# KiCad board SmartSpin2k_Panelized.kicad_pcb (continued)
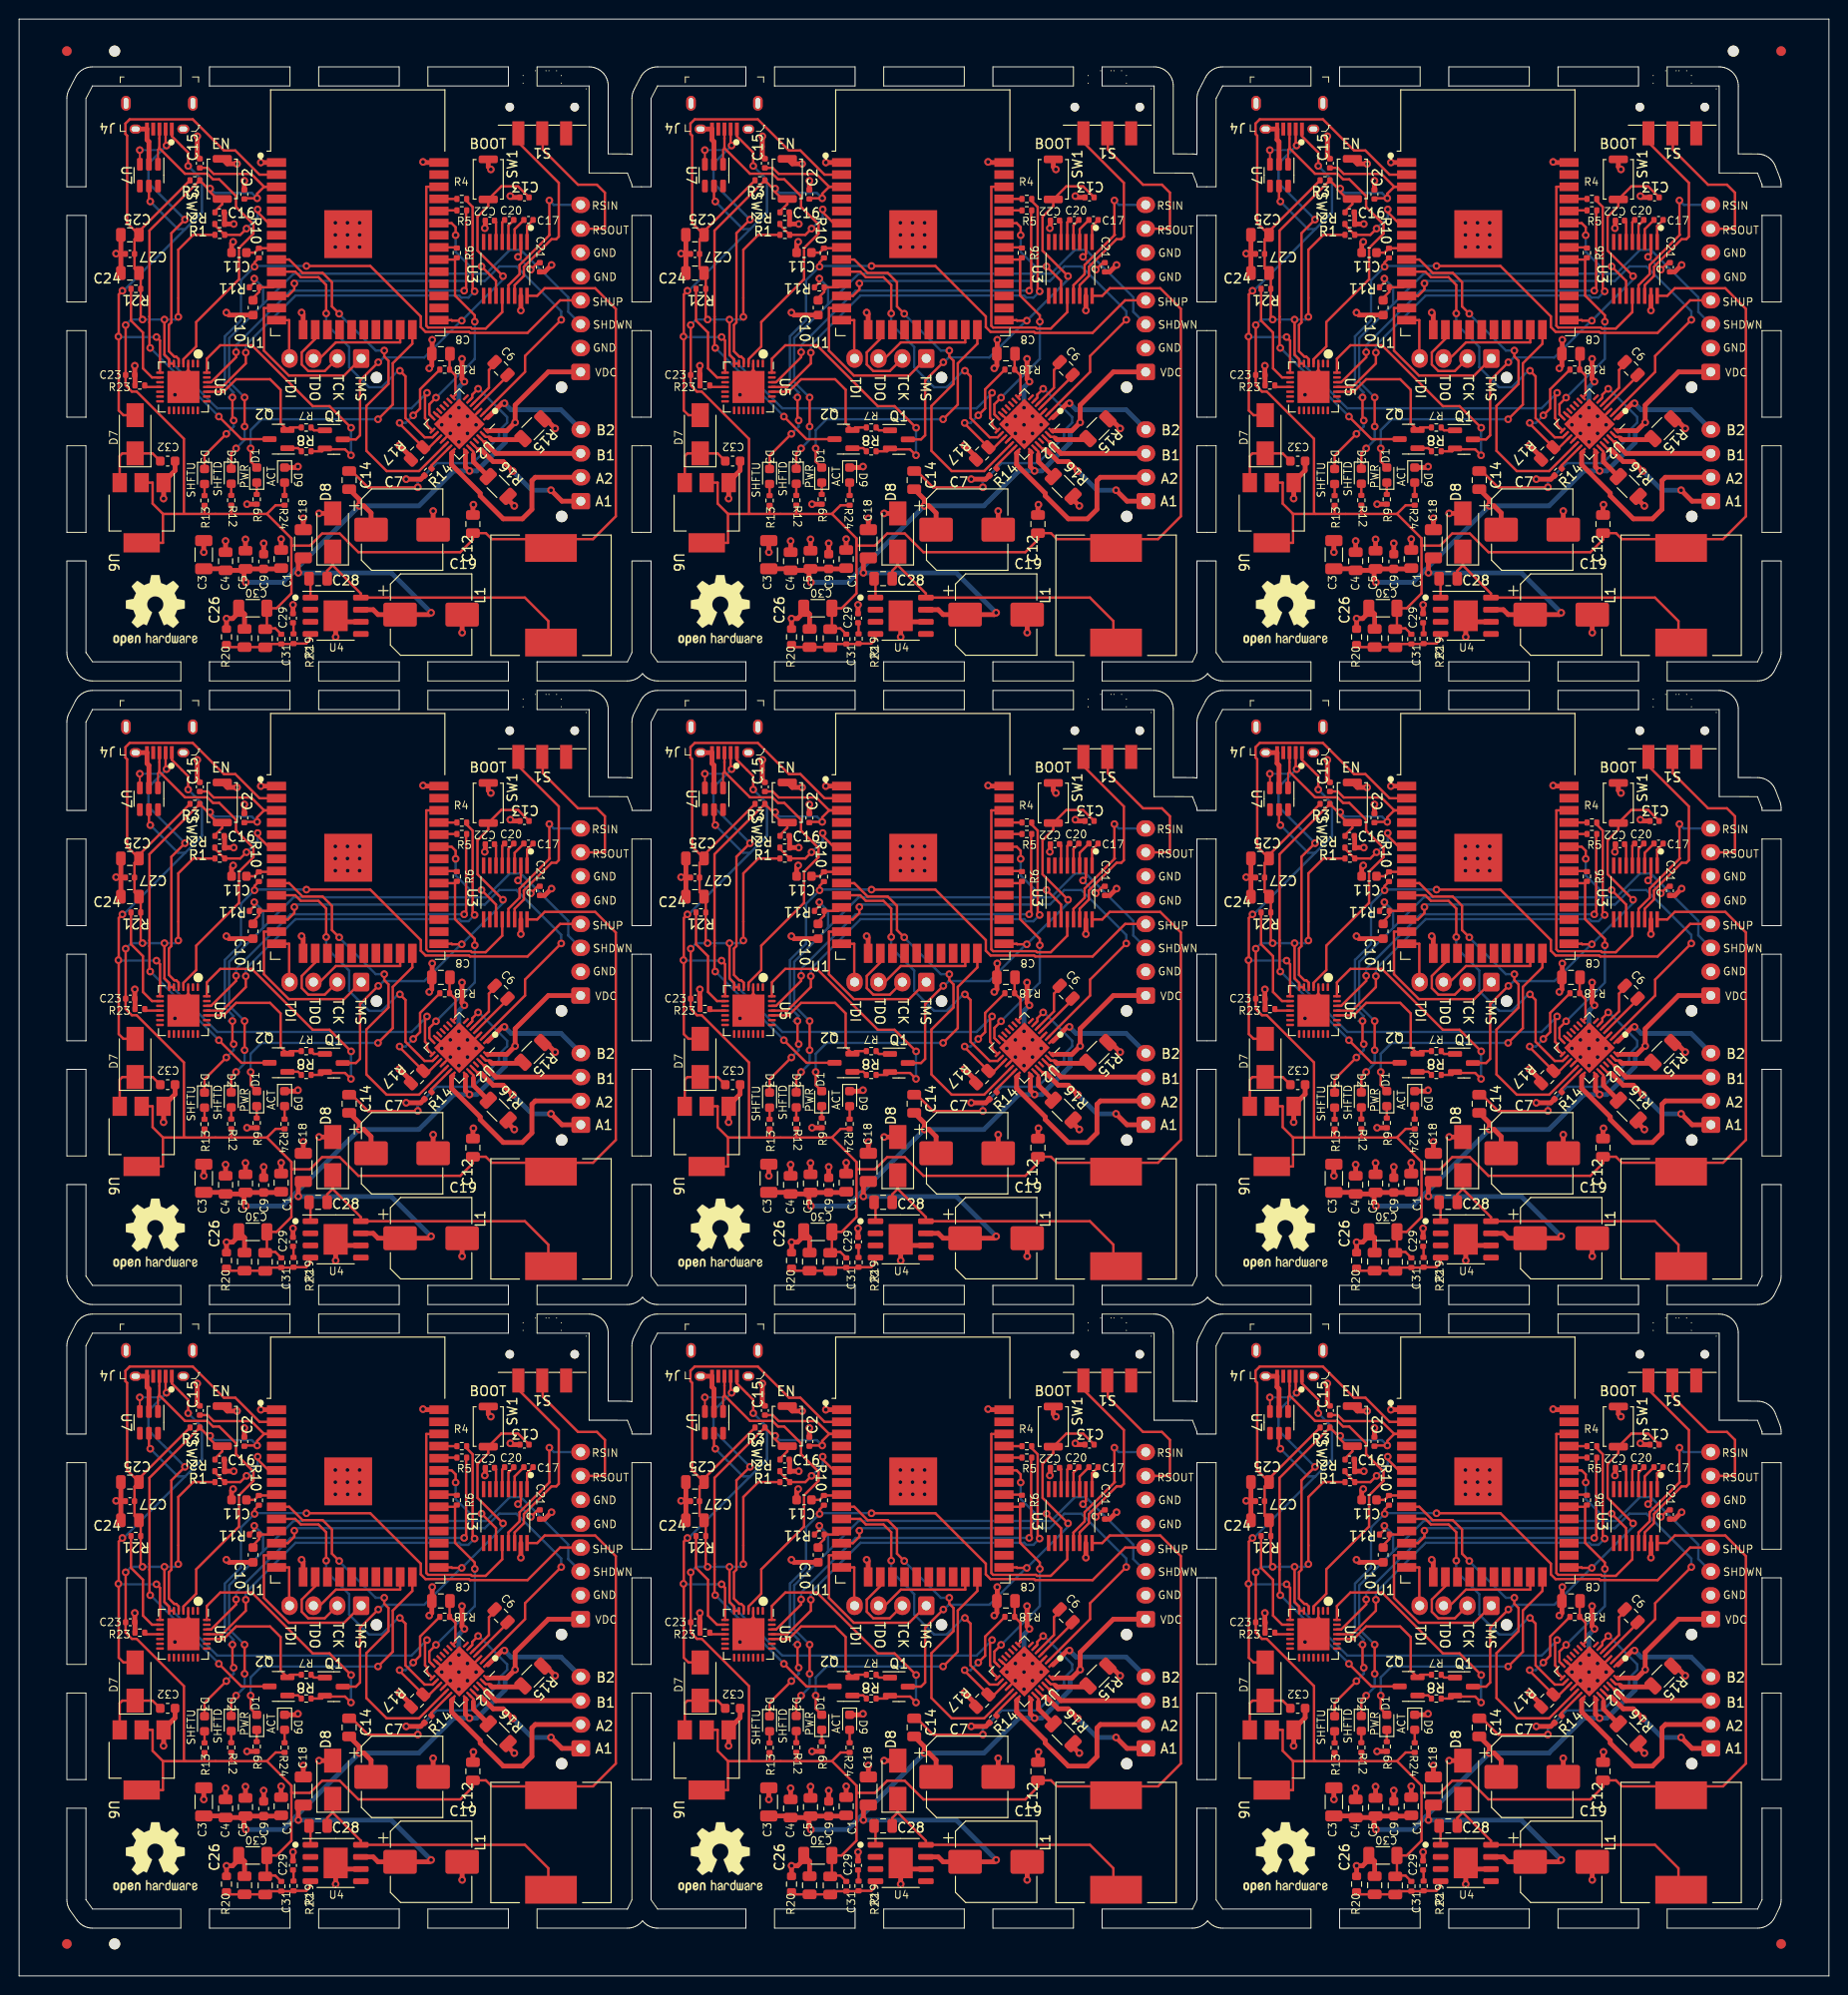
[diagram p0: board, top side]
## Routing (per net, layer and track width the routed paths; a pad name or vN(x,y) marks a point on that pad's centre or on a via; arc(x,y) is an arc through that point) (continued)
  Bottom w0.5: v1(105.19,98.91) 105.19,101.06 v1(105.76,101.64)
  vias: v1(92.25,118.27) v1(92.25,117) v1(92.25,115.73) v1(93.52,118.27) v1(93.55,115.73) v1(94.79,118.27) v1(94.79,117) v1(94.79,115.73) v1(104.29,98.01) v1(105.19,95.32) v1(106.09,96.22) v1(106.98,97.12)
Board_4-Net-(C6-Pad1): length 5.4
  Top w0.25: C6#9.1 108.93,103.45 108.33,102.86 108.33,101 106.62,99.29 U2#6.5
Board_4-Net-(C6-Pad2): length 4.8
  Top w0.25: C6#9.2 110.27,102.23 U2#6.4
Board_4-Net-(C10-Pad1): length 3.6
  Top w0.25: C10#3.1 83.64,110.4 84.28,111.04 R11.1 85.73,111.52 U1#3.11
Board_4-Net-(C11-Pad1): length 3.4
  Top w0.25: C11#3.1 83.79,115.15 R10#5.1 86.01,115.61 U1#3.8
Board_4-Net-(C14-Pad2): length 27.3
  Top w0.25: v1(100.89,90.58) 100.87,90.56 95.68,90.56 93.97,92.27 C14#8.2 ; U2#6.6 106.59,99.96 106.59,100.28 v1(107.2,100.89)
  Bottom w0.25: v1(100.89,90.58) 100.87,90.59 100.87,91.12 102.85,93.1 106.63,93.1 109.38,95.85 109.38,96.49 110.23,97.34 110.23,97.93 107.27,100.89 v1(107.2,100.89)
Board_4-Net-(C17-Pad1): length 2.7
  Top w0.25: C17#8.1 111.02,117.6 U3#4.3
Board_4-Net-(C17-Pad2): length 2.6
  Top w0.25: C17#8.2 112.95,118.56 112.32,117.93 U3#4.1
Board_4-Net-(C20-Pad1): length 2.4
  Top w0.25: U3#4.5 109.72,118.32 C20#6.1
Board_4-Net-(C20-Pad2): length 2.5
  Top w0.25: U3#4.4 110.37,118 110.93,118.56 C20#6.2
Board_4-Net-(C21-Pad1): length 4.8
  Top w0.25: C21.1 113.44,114.09 v1(112.71,113.36) ; v1(111.37,114.71) 111.67,115.01 U3#4.2
  Bottom w0.25: v1(112.71,113.36) v1(111.37,114.71)
Board_4-Net-(C22-Pad1): length 2.3
  Top w0.25: C22#5.1 109.07,118.34 U3#4.6
Board_4-Net-(C26-Pad1): length 9.8
  Top w0.25: U4#4.4 89.65,74.65 89.21,74.21 R19#8.1 87.83,74.17 R22#6.1 85.26,74.17 C31.1 84.89,73.84 C26#6.1 81.11,73.84 R20#8.1
Board_4-Net-(C28-Pad1): length 2
  Top w0.25: C28#6.1 89.65,80.86 U4#4.1
Board_4-Net-(C28-Pad2): length 31.4
  Top w0.25: 91.98,83.05 91.98,82.4 94.92,79.46 U4#4.8 112.09,79.03 114.55,76.57 114.55,74.15 ; 91.98,83.05 D8#2.1 ; 91.98,83.05 91.98,82.42 91.4,81.84 C28#6.2
Board_4-Net-(C29-Pad1): length 1.2
  Top w0.25: R19#8.2 87.88,76.34 C29#9.1
Board_4-Net-(D1-Pad1): length 1.2
  Top w0.25: D1#4.1 R9#3.2
Board_4-Net-(D1-Pad2): length 28.8
  Top w0.25: v1(96.72,97.7) 98.26,99.24 98.26,103.56 100.31,105.61 U1#3.24 ; v1(83.39,94.65) 83.39,93.28 D1#4.2
  Bottom w0.25: v1(83.39,94.65) 83.39,96.56 84.53,97.7 v1(96.72,97.7)
Board_4-Net-(D2-Pad2): length 1.2
  Top w0.25: R12#6.1 D2.2
Board_4-Net-(D3-Pad2): length 1.2
  Top w0.25: D3#4.2 R13#9.2
Board_4-Net-(D9-Pad2): length 1.4
  Top w0.25: R24#7.1 D9#5.2
Board_4-Net-(J2-Pad1): length 17.8
  Top w0.25: J2#8.1 93.17,102.28 87.38,102.28 84.77,104.89 84.77,109.34 U1#3.13
Board_4-Net-(J2-Pad2): length 8.8
  Top w0.25: J2#8.2 91.14,102.75 89.42,102.75 88.73,103.43 88.73,104.7 90.15,106.12 U1#3.16
Board_4-Net-(J2-Pad3): length 11.1
  Top w0.25: U1#3.23 99.04,105.75 92.3,105.75 90.62,104.07 J2#8.3
Board_4-Net-(J2-Pad4): length 5.4
  Top w0.25: U1#3.14 87.42,108.07 87.42,104.07 J2#8.4
Board_4-Net-(Q1-Pad1): length 1.6
  Top w0.25: Q1#2.1 90.01,96.54 R7#9.1
Board_4-Net-(Q2-Pad1): length 1.6
  Top w0.25: Q2#5.1 87.25,94.68 88.36,94.68 R8.2
Board_4-Net-(R1-Pad2): length 9.4
  Top w0.25: R2#4.2 79.64,118.04 R1#6.2 82.3,117.01 v1(82.96,117.66) ; U1#3.6 85.27,118.23 84.12,119.38 v1(84.12,119.67)
  Bottom w0.25: v1(82.96,117.66) 84.12,118.83 v1(84.12,119.67)
Board_4-Net-(R4-Pad1): length 1.9
  Top w0.25: R4#9.1 103.1,120.77 U1#3.35
Board_4-Net-(R5-Pad1): length 1.9
  Top w0.25: U1#3.34 103.16,119.57 R5#8.1
Board_4-Net-(R14-Pad2): length 3
  Top w0.25: U2#6.20 102.31,92.86 R14#5.2
Board_4-Net-(R17-Pad1): length 13.4
  Top w0.25: v1(100.41,98.11) 101.13,98.83 101.13,100.84 R18#5.2 ; v1(98.98,97.32) 98.98,97.24 R17#7.1 102.1,94.76 U2#6.17
  Bottom w0.25: v1(98.98,97.32) 99.61,97.32 v1(100.41,98.11)
Board_4-Net-(R21-Pad2): length 11
  Top w0.25: U5#2.9 73.06,102.08 72.11,103.03 72.11,106.78 70.86,108.03 R21#6.2
Board_4-Net-(R23-Pad2): length 1.7
  Top w0.25: U5#2.11 72.46,101.08 R23#7.2
Board_4-Net-(S1-Pad3): length 20.9
  Top w0.25: U3#4.14 111.02,111.75 111.99,112.71 111.99,113.66 114.88,116.56 115.38,116.56 115.65,116.83 115.65,122.46 111.33,126.77 111.33,127.52
Board_5-/A1: length 13.8
  Top w0.25: 166.41,94.5 166.37,94.5 U2#5.24
  Top w0.5: J1#3.1 175.13,89.12 v1(173.98,90.27) ; 166.41,94.5 166.69,94.5 167.92,93.27 168.98,93.27 v1(169.98,92.27)
  Bottom w0.5: v1(169.98,92.27) 171.98,90.27 v1(173.98,90.27)
Board_5-/A2: length 21.1
  Top w0.25: 163.7,94.27 U2#5.21
  Top w0.5: 163.7,94.27 163.57,94.14 163.57,92.95 166.57,89.95 166.57,89.68 168.98,87.27 170.98,87.27 171.98,88.27 171.98,91.27 172.33,91.62 J1#3.2
Board_5-/B1: length 11.3
  Top w0.25: 167.05,95.31 166.97,95.31 U2#5.26
  Top w0.5: J1#3.3 168.21,94.12 167.07,95.26
Board_5-/B2: length 11.7
  Top w0.25: 167.36,97.87 U2#5.1
  Top w0.5: v1(169.11,99.38) 168.86,99.38 167.36,97.87
  Bottom w0.5: v1(169.11,99.38) 169.79,98.69 175.03,98.69 J1#3.4
Board_5-/BRA: length 3.9
  Top w0.25: U2#5.23 165.85,94.3 165.85,94.02
  Top w0.5: 165.85,94.02 165.85,93.25 R16#3.2
Board_5-/BRB: length 4.5
  Top w0.25: U2#5.27 167.14,95.85 167.5,95.85 167.63,95.72
  Top w0.5: 167.63,95.72 167.79,95.56 170.93,95.56 R15#3.2
Board_5-/D+: length 35.2
  Top w0.2: 132.99,126.08 132.84,125.94 U7#5.1
  Top w0.25: J4#8.3 132.99,126.08 135.66,123.41 138.01,123.41 138.59,122.83 139.25,122.83 141.01,121.07 141.01,119.93 142.83,118.11 142.83,117.14 141.32,115.63 141.32,112.35 136.84,107.88 136.84,105.32 135.5,103.98 U5#9.4
Board_5-/D-: length 32.7
  Top w0.2: U7#5.3 130.94,125.87 v1(130.93,125.88)
  Top w0.25: v1(135.66,118.61) 134.24,117.18 134.24,107.84 133.98,107.58 133.98,104.82 134.54,104.25 134.75,104.25 135,104 U5#9.5 ; v1(133.73,126.36) 133.64,126.46 J4#8.2
  Bottom w0.2: v1(130.93,125.88) 133.25,125.88 v1(133.73,126.36)
  Bottom w0.25: v1(135.66,118.61) 131.84,122.43 131.84,124.47 v1(133.73,126.36)
Board_5-/DriverDIR: length 38.8
  Top w0.25: U2#5.19 160.17,92.27 156.77,92.27 154.65,94.4 154.65,99.1 156.96,101.41 156.96,103.82 156.52,104.26 v1(156.52,104.89) ; v1(151.81,108.75) 151.05,109.51 151.05,112.05 150.07,113.02 147.97,113.02 146.57,114.42 U1#7.9
  Bottom w0.25: v1(156.52,104.89) 155.63,104.89 151.81,108.72 v1(151.81,108.75)
Board_5-/DriverEN: length 47.6
  Top w0.25: U1#7.12 146.44,110.61 147.11,111.29 v1(147.11,111.92) ; v1(175.05,108.11) 171.26,104.33 171.26,102.66 U2#5.2
  Bottom w0.25: v1(147.11,111.92) 147.36,112.18 167.05,112.18 168.57,113.7 170.35,113.7 175.05,109 v1(175.05,108.11)
Board_5-/DriverSTEP: length 31.7
  Top w0.25: U1#7.10 147.21,113.15 147.79,112.57 149.63,112.57 150.44,111.76 v1(150.44,108.78) ; U2#5.16 161.58,95.8 160.76,95.8 158.75,97.81 158.75,102.19 v1(158.16,102.78)
  Bottom w0.25: v1(150.44,108.78) 150.44,107.67 152.85,105.27 152.85,103.13 154.93,101.05 156.25,101.05 157.98,102.78 v1(158.16,102.78)
Board_5-/DTR: length 28.2
  Top w0.25: v1(153.05,96.81) 150.79,99.07 149.04,99.07 142.66,105.45 139.36,105.45 137.95,104.04 U5#9.28 ; v1(153.04,93.93) 152.42,94.55 150.4,94.55 Q1#5.2 150.02,94.35 R8#6.1
  Bottom w0.25: v1(153.05,96.81) 153.04,96.8 v1(153.04,93.93)
Board_5-/EN: length 59.6
  Top w0.25: v1(139.21,97.98) 141.57,95.62 144.45,95.62 ; v1(132.02,105.17) 131.95,105.24 131.95,107.84 131.95,107.84 131.95,108.44 131.95,108.44 131.95,117.46 R3.2 138.08,121.85 v1(138.3,121.85) 138.3,121.5 139.03,120.77 SW2#8.2 139.57,120.23 138.81,119.47 C16#2.1 ; C2.1 141.88,120.76 141.96,120.84 v1(143.22,120.84) 143.22,121.32 143.95,122.04 U1#7.3 143.95,122.04 142.6,123.39 138.66,123.39 138.04,124.02 C15#9.1
  Bottom w0.25: v1(132.02,105.17) 132.05,105.17 139.21,98 v1(139.21,97.98) ; v1(143.22,120.84) 142.66,121.4 138.75,121.4 v1(138.3,121.85)
Board_5-/IO0_BOOT: length 44.7
  Top w0.25: v1(155.9,103.67) 153.99,101.76 153.99,96.02 153.56,95.59 Q1#5.3 ; C13#9.1 171.68,120.94 170.53,122.08 168.77,122.08 SW1#9.1 167.41,120.03 166.29,118.91 166.29,115.35 v1(168.95,112.69) ; v1(164.63,108.02) 163.62,108.02 163.57,108.07 U1#7.25
  Bottom w0.25: v1(168.95,112.69) 168.95,112.34 v1(164.63,108.02) 164.57,108.02 160.72,104.17 156.46,104.17 155.96,103.67 v1(155.9,103.67)
Board_5-/R1OUT: length 26.4
  Top w0.25: U3#5.12 168.87,108.92 167.14,107.19 165.7,107.19 165.59,107.3 161.11,107.3 160.92,107.49 160.92,122.04 U1#7.36
Board_5-/REG_5V: length 7.5
  Top w0.25: U6#5.3 128.83,93.85 129.11,94.12 D7#4.1 132.27,94.12 C32#8.2
Board_5-/RS232IN1: length 15.3
  Top w0.25: U3#5.13 169.52,111.73 170.69,112.9 170.69,113.85 173.85,117.01 173.8,117.05 v1(173.8,120.61)
  Bottom w0.25: J3#6.8 174.26,120.15 v1(173.8,120.61)
Board_5-/RS232OUT1: length 16.4
  Top w0.25: 172.98,127.52 173.12,127.38 173.12,125.95 176.8,122.26 178.78,122.26 179.62,121.42 179.62,117.61 179.58,117.65 J3#6.7
Board_5-/RTS: length 14.8
  Top w0.25: R7#6.2 146.66,96.84 Q2#4.2 145.67,97.28 145.67,100.78 144.57,101.89 141.01,101.89 139.7,100.58 U5#9.24
Board_5-/RXD0: length 40.2
  Top w0.25: R5#7.2 165.09,119.51 165.09,111.37 v1(164.89,111.16) ; v1(141.01,104.72) 141.01,104.19 138.4,101.58 U5#9.26
  Bottom w0.25: v1(141.01,104.72) 141.01,105.45 146.73,111.16 v1(164.89,111.16)
Board_5-/ShiftDown: length 63.9
  Top w0.25: v1(141.01,94.65) 140.5,94.14 D2#3.1 ; R11#9.2 142.92,112.03 v1(142.92,112.43) ; v1(141.9,99.98) v1(141.9,96.94)
  Bottom w0.25: 143.83,109.74 140.29,106.19 140.29,101.6 v1(141.9,99.98) ; 143.83,109.74 147.03,112.94 167.17,112.94 169.67,115.43 170.82,115.43 175.78,110.47 175.78,108.95 J3#6.3 ; 143.83,109.74 143.83,111.52 v1(142.92,112.43) ; v1(141.01,94.65) 141.9,95.54 v1(141.9,96.94)
Board_5-/ShiftUp: length 65
  Top w0.25: v1(139.99,96.17) 137.71,93.89 D3#7.1 ; J3#6.4 174.93,110.15 171.52,106.74 165.51,106.74 165.41,106.85 160.85,106.85 160.35,107.35 160.35,108.46 155.06,113.75 v1(148.38,113.75) ; R10#4.2 142.94,114.13 v1(142.94,113.68) ; v1(140.63,99.98) 140.63,97.7 v1(140.76,97.57)
  Bottom w0.25: v1(140.76,97.57) 140.76,96.94 v1(139.99,96.17) ; v1(148.38,113.75) 148.37,113.75 143.02,113.75 v1(142.94,113.68) 141.52,112.25 141.52,108.06 139.84,106.38 139.84,101.41 140.75,100.5 140.24,99.98 v1(140.63,99.98)
Board_5-/T1IN: length 11.6
  Top w0.25: U1#7.33 163.57,118.23 164,117.81 v1(164,116.97) ; U3#5.11 168.22,112.18 v1(166.71,113.7)
  Bottom w0.25: v1(166.71,113.7) 165.52,113.7 164,115.23 v1(164,116.97)
Board_5-/TMCUART1: length 21.5
  Top w0.25: v1(161.94,99.96) 161.24,99.27 161.24,98.21 U2#5.14 ; 163.93,114.42 R6#7.1 ; 163.93,114.42 U1#7.30 ; 163.93,114.42 163.93,110.65 166,108.58 v1(166,107.92)
  Bottom w0.25: v1(166,107.92) 166,104.02 v1(161.94,99.96)
Board_5-/TMCUART2: length 1.9
  Top w0.25: U1#7.31 164.06,115.69 R6#7.2
Board_5-/TXD0: length 43.5
  Top w0.25: v1(165.98,111.09) 165.78,111.3 165.78,119.92 165.15,120.55 R4#7.2 ; v1(142.03,104.68) 142.03,103.54 139.57,101.08 U5#9.25
  Bottom w0.25: v1(165.98,111.09) 165.33,110.44 164.59,110.44 164.37,110.65 147.24,110.65 142.03,105.45 v1(142.03,104.68)
Board_5-/VDC: length 92.1
  Top w0.25: U2#5.28 167.32,96.51 167.33,96.51 ; 165.02,94.32 165.02,94.34 U2#5.22
  Top w0.5: C7#6.1 155.14,87.89 154.4,88.63 v1(153.91,88.63) 153.91,89.31 C14#6.1 ; 141.84,81.88 C5#8.1 142,82.03 C9#4.1 145.65,82.03 C1#9.1 ; 141.84,81.88 141.84,80.81 v1(142.03,80.62) ; 141.84,81.88 C4#4.1 139.75,82.05 C3#3.1 ; U4#8.7 155.37,77.76 155.88,77.25 C19#3.1 161.23,77.25 v1(161.43,77.44) ; C18#3.1 147.53,82.66 v1(147.53,81.62) ; J3#6.1 173.7,102.65 170.22,99.18 v1(170.22,97.37) 169.36,96.51 167.33,96.51 ; v1(165.45,92.29) 165.02,92.72 165.02,94.32
  Bottom w0.5: v1(142.03,80.62) 145.9,80.62 147.21,81.93 ; 147.21,81.93 v1(153.91,88.63) 160.15,88.63 163.8,92.29 v1(165.45,92.29) 166.21,92.29 169.18,95.26 169.18,96.33 v1(170.22,97.37) ; 147.21,81.93 147.52,81.62 v1(147.53,81.62) 147.54,81.61 157.26,81.61 v1(161.43,77.44)
Board_5-GND: length 91.3
  Top w0.25: 162.54,97.68 162,98.23 U2#5.13 ; 136,102.68 U5#9.3 ; 163.23,96.04 U2#5.18 ; 165.88,97.99 U2#5.3
  Top w0.5: C13#9.2 169.85,120.93 v1(169.72,121.07) ; v1(145.73,85.15) C1#9.2 ; v1(161.64,88.09) C7#6.2 ; U7#5.2 131.89,126.76 131.69,126.97 J4#8.5 J4#8.SH ; v1(174.41,96.73) 173.41,97.74 R15#3.1 ; v1(147.49,92.75) 147.39,92.64 D9#2.1 ; v1(160.58,124.65) 160.73,124.65 160.8,124.58 U1#7.38 ; R16#3.1 169.48,89.29 v1(170.14,88.63) ; v1(133.42,89.39) 133.43,89.4 U6#5.1 133.43,91.13 134.62,92.33 C32#8.1 ; 136,102.68 136,101.65 v1(134.61,100.26) 134.69,100.26 U5#9.29 ; v1(174.03,113.85) 173.31,113.13 C21#4.2 ; v1(165.85,88.76) 165.8,88.71 C12#2.2 ; SW2#8.1 140.09,124.45 v1(141.11,124.45) ; C10#6.2 140.26,108.61 v1(140,108.88) ; C11.2 140.54,116.12 v1(140.71,116.28) ; R23.1 130.43,102.31 C23#7.2 v1(130.41,103.3) ; C3#3.2 137.63,83.78 v1(137.63,83.78) ; R17#3.2 159.32,93.75 v1(158.11,94.96) ; v1(161.54,106.02) 161.54,104.6 C8#3.2 161.5,103.3 v1(161.23,103.03) ; 128.95,115.01 128.95,115.05 ; 128.95,115.01 C24#6.1 ; 128.95,115.01 C27#8.2 ; 128.95,115.05 C25#7.2 ; 128.95,115.05 v1(128.45,115.05) ; U4#8.9 151.44,76.49 ; 151.44,76.49 v1(151.44,74.91) ; 151.44,76.49 U4#8.6 ; v1(143.9,84.71) C9#4.2 ; v1(139.91,84.95) C4#4.2 ; D8#9.2 149.7,87.84 v1(149.7,87.84) ; 140.01,75.74 v1(140.01,76.83) 140.64,76.83 141.28,77.47 C30#4.2 141.9,77.3 C26#5.2 ; 165.88,97.99 165.26,97.99 v1(165.24,98.01) ; v1(140.77,118.15) R2#5.1 139.81,119.32 C16#2.2 ; v1(143.6,124.58) U1#7.1 ; v1(170.82,109.09) U3#5.15 ; 148.05,86.14 v1(148.05,87.32) ; R9#8.1 142.16,88.81 v1(142.16,88.81) ; SW1#9.2 167.41,124.13 v1(167.68,123.86) ; v1(164.68,75.35) C19#3.2 ; C22.2 167.1,117.75 v1(167.05,117.7) ; v1(162.54,97.12) 162.54,97.68 ; v1(164.34,97.12) 164.38,97.16 U2#5.29 ; v1(158.82,91.43) 160.34,91.43 R14#4.1 ; C15#9.2 136.95,125.25 v1(136.95,127.33) ; C29#6.2 v1(146.97,78.27) ; U1#7.15 148.03,108.71 v1(147.87,108.88) ; v1(152.67,117) 152.75,117.08 U1#7.39 ; v1(164.91,101.64) 164.66,101.89 v1(164.66,104.02) ; v1(142,85.12) C5#8.2 ; 163.23,96.04 163.41,96.22 v1(163.44,96.22) ; v1(141.88,122.67) C2.2
  Bottom w0.5: v1(164.34,98.91) 164.34,101.06 v1(164.91,101.64)
  vias: v1(151.4,118.27) v1(151.4,117) v1(151.4,115.73) v1(152.67,118.27) v1(152.7,115.73) v1(153.94,118.27) v1(153.94,117) v1(153.94,115.73) v1(163.44,98.01) v1(164.34,95.32) v1(165.24,96.22) v1(166.13,97.12)
Board_5-Net-(C6-Pad1): length 5.4
  Top w0.25: C6#7.1 168.08,103.45 167.48,102.86 167.48,101 165.77,99.29 U2#5.5
Board_5-Net-(C6-Pad2): length 4.8
  Top w0.25: C6#7.2 169.42,102.23 U2#5.4
Board_5-Net-(C10-Pad1): length 3.6
  Top w0.25: C10#6.1 142.79,110.4 143.43,111.04 R11#9.1 144.88,111.52 U1#7.11
Board_5-Net-(C11-Pad1): length 3.4
  Top w0.25: C11.1 142.94,115.15 R10#4.1 145.16,115.61 U1#7.8
Board_5-Net-(C14-Pad2): length 27.3
  Top w0.25: v1(160.04,90.58) 160.02,90.56 154.83,90.56 153.12,92.27 C14#6.2 ; U2#5.6 165.74,99.96 165.74,100.28 v1(166.35,100.89)
  Bottom w0.25: v1(160.04,90.58) 160.02,90.59 160.02,91.12 162,93.1 165.78,93.1 168.53,95.85 168.53,96.49 169.38,97.34 169.38,97.93 166.42,100.89 v1(166.35,100.89)
Board_5-Net-(C17-Pad1): length 2.7
  Top w0.25: C17#9.1 170.17,117.6 U3#5.3
Board_5-Net-(C17-Pad2): length 2.6
  Top w0.25: C17#9.2 172.1,118.56 171.47,117.93 U3#5.1
Board_5-Net-(C20-Pad1): length 2.4
  Top w0.25: U3#5.5 168.87,118.32 C20#9.1
Board_5-Net-(C20-Pad2): length 2.5
  Top w0.25: U3#5.4 169.52,118 170.08,118.56 C20#9.2
Board_5-Net-(C21-Pad1): length 4.8
  Top w0.25: C21#4.1 172.59,114.09 v1(171.86,113.36) ; v1(170.52,114.71) 170.82,115.01 U3#5.2
  Bottom w0.25: v1(171.86,113.36) v1(170.52,114.71)
Board_5-Net-(C22-Pad1): length 2.3
  Top w0.25: C22.1 168.22,118.34 U3#5.6
Board_5-Net-(C26-Pad1): length 9.8
  Top w0.25: U4#8.4 148.8,74.65 148.36,74.21 R19.1 146.98,74.17 R22#8.1 144.41,74.17 C31#7.1 144.04,73.84 C26#5.1 140.25,73.84 R20.1
Board_5-Net-(C28-Pad1): length 2
  Top w0.25: C28#9.1 148.8,80.86 U4#8.1
Board_5-Net-(C28-Pad2): length 31.4
  Top w0.25: 151.13,83.05 151.13,82.4 154.07,79.46 U4#8.8 171.24,79.03 173.7,76.57 173.7,74.15 ; 151.13,83.05 D8#9.1 ; 151.13,83.05 151.13,82.42 150.55,81.84 C28#9.2
Board_5-Net-(C29-Pad1): length 1.2
  Top w0.25: R19.2 147.03,76.34 C29#6.1
Board_5-Net-(D1-Pad1): length 1.2
  Top w0.25: D1#6.1 R9#8.2
Board_5-Net-(D1-Pad2): length 28.8
  Top w0.25: v1(155.87,97.7) 157.41,99.24 157.41,103.56 159.46,105.61 U1#7.24 ; v1(142.54,94.65) 142.54,93.28 D1#6.2
  Bottom w0.25: v1(142.54,94.65) 142.54,96.56 143.68,97.7 v1(155.87,97.7)
Board_5-Net-(D2-Pad2): length 1.2
  Top w0.25: R12#3.1 D2#3.2
Board_5-Net-(D3-Pad2): length 1.2
  Top w0.25: D3#7.2 R13#7.2
Board_5-Net-(D9-Pad2): length 1.4
  Top w0.25: R24#9.1 D9#2.2
Board_5-Net-(J2-Pad1): length 17.8
  Top w0.25: J2.1 152.32,102.28 146.53,102.28 143.92,104.89 143.92,109.34 U1#7.13
Board_5-Net-(J2-Pad2): length 8.8
  Top w0.25: J2.2 150.29,102.75 148.57,102.75 147.88,103.43 147.88,104.7 149.3,106.12 U1#7.16
Board_5-Net-(J2-Pad3): length 11.1
  Top w0.25: U1#7.23 158.19,105.75 151.45,105.75 149.77,104.07 J2.3
Board_5-Net-(J2-Pad4): length 5.4
  Top w0.25: U1#7.14 146.57,108.07 146.57,104.07 J2.4
Board_5-Net-(Q1-Pad1): length 1.6
  Top w0.25: Q1#5.1 149.16,96.54 R7#6.1
Board_5-Net-(Q2-Pad1): length 1.6
  Top w0.25: Q2#4.1 146.4,94.68 147.51,94.68 R8#6.2
Board_5-Net-(R1-Pad2): length 9.4
  Top w0.25: R2#5.2 138.79,118.04 R1.2 141.45,117.01 v1(142.11,117.66) ; U1#7.6 144.42,118.23 143.27,119.38 v1(143.27,119.67)
  Bottom w0.25: v1(142.11,117.66) 143.27,118.83 v1(143.27,119.67)
Board_5-Net-(R4-Pad1): length 1.9
  Top w0.25: R4#7.1 162.25,120.77 U1#7.35
Board_5-Net-(R5-Pad1): length 1.9
  Top w0.25: U1#7.34 162.31,119.57 R5#7.1
Board_5-Net-(R14-Pad2): length 3
  Top w0.25: U2#5.20 161.47,92.86 161.47,92.55
Board_5-Net-(R17-Pad1): length 13.4
  Top w0.25: v1(159.56,98.11) 160.28,98.83 160.28,100.84 R18#2.2 ; v1(158.13,97.32) 158.13,97.24 R17#3.1 161.25,94.76 U2#5.17
  Bottom w0.25: v1(158.13,97.32) 158.76,97.32 v1(159.56,98.11)
Board_5-Net-(R21-Pad2): length 11
  Top w0.25: U5#9.9 132.21,102.08 131.26,103.03 131.26,106.78 130.01,108.03 R21#3.2
Board_5-Net-(R23-Pad2): length 1.7
  Top w0.25: U5#9.11 131.61,101.08 R23.2
Board_5-Net-(S1-Pad3): length 20.9
  Top w0.25: U3#5.14 170.17,111.75 171.14,112.71 171.14,113.66 174.03,116.56 174.53,116.56 174.79,116.83 174.79,122.46 170.48,126.77 170.48,127.52
Board_6-/A1: length 13.8
  Top w0.25: 48.11,29.2 48.07,29.2 U2#7.24
  Top w0.5: J1#4.1 56.83,23.82 v1(55.68,24.97) ; 48.11,29.2 48.39,29.2 49.62,27.97 50.68,27.97 v1(51.68,26.97)
  Bottom w0.5: v1(51.68,26.97) 53.68,24.97 v1(55.68,24.97)
Board_6-/A2: length 21.1
  Top w0.25: 45.4,28.97 U2#7.21
  Top w0.5: 45.4,28.97 45.27,28.84 45.27,27.65 48.27,24.65 48.27,24.38 50.68,21.97 52.68,21.97 53.68,22.97 53.68,25.97 54.03,26.32 J1#4.2
Board_6-/B1: length 11.3
  Top w0.25: 48.75,30.01 48.67,30.01 U2#7.26
  Top w0.5: J1#4.3 49.91,28.82 48.77,29.96
Board_6-/B2: length 11.7
  Top w0.25: 49.06,32.57 U2#7.1
  Top w0.5: v1(50.81,34.08) 50.56,34.08 49.06,32.57
  Bottom w0.5: v1(50.81,34.08) 51.49,33.39 56.73,33.39 J1#4.4
Board_6-/BRA: length 3.9
  Top w0.25: U2#7.23 47.55,29 47.55,28.72
  Top w0.5: 47.55,28.72 47.55,27.95 R16#6.2
Board_6-/BRB: length 4.5
  Top w0.25: U2#7.27 48.84,30.55 49.2,30.55 49.33,30.42
  Top w0.5: 49.33,30.42 49.49,30.26 52.63,30.26 R15#8.2
Board_6-/D+: length 35.2
  Top w0.2: 14.69,60.78 14.54,60.64 U7#7.1
  Top w0.25: J4#6.3 14.69,60.78 17.36,58.11 19.71,58.11 20.29,57.53 20.95,57.53 22.71,55.77 22.71,54.63 24.53,52.81 24.53,51.84 23.02,50.33 23.02,47.05 18.54,42.58 18.54,40.02 17.2,38.68 U5.4
Board_6-/D-: length 32.7
  Top w0.2: U7#7.3 12.64,60.57 v1(12.63,60.58)
  Top w0.25: v1(17.36,53.31) 15.94,51.88 15.94,42.54 15.68,42.28 15.68,39.52 16.24,38.95 16.45,38.95 16.7,38.7 U5.5 ; v1(15.43,61.06) 15.34,61.16 J4#6.2
  Bottom w0.2: v1(12.63,60.58) 14.95,60.58 v1(15.43,61.06)
  Bottom w0.25: v1(17.36,53.31) 13.54,57.13 13.54,59.17 v1(15.43,61.06)
Board_6-/DriverDIR: length 38.8
  Top w0.25: U2#7.19 41.87,26.97 38.47,26.97 36.35,29.1 36.35,33.8 38.66,36.11 38.66,38.52 38.22,38.96 v1(38.22,39.59) ; v1(33.51,43.45) 32.75,44.21 32.75,46.75 31.77,47.72 29.67,47.72 28.27,49.12 U1#5.9
  Bottom w0.25: v1(38.22,39.59) 37.33,39.59 33.51,43.42 v1(33.51,43.45)
Board_6-/DriverEN: length 47.6
  Top w0.25: U1#5.12 28.13,45.31 28.81,45.99 v1(28.81,46.62) ; v1(56.75,42.81) 52.96,39.03 52.96,37.36 U2#7.2
  Bottom w0.25: v1(28.81,46.62) 29.06,46.88 48.75,46.88 50.27,48.4 52.05,48.4 56.75,43.7 v1(56.75,42.81)
Board_6-/DriverSTEP: length 31.7
  Top w0.25: U1#5.10 28.91,47.85 29.49,47.27 31.33,47.27 32.14,46.46 v1(32.14,43.48) ; U2#7.16 43.28,30.5 42.46,30.5 40.45,32.51 40.45,36.89 v1(39.86,37.48)
  Bottom w0.25: v1(32.14,43.48) 32.14,42.37 34.55,39.97 34.55,37.83 36.63,35.75 37.95,35.75 39.68,37.48 v1(39.86,37.48)
Board_6-/DTR: length 28.2
  Top w0.25: v1(34.75,31.51) 32.49,33.77 30.74,33.77 24.36,40.15 21.06,40.15 19.65,38.74 U5.28 ; v1(34.74,28.63) 34.12,29.25 32.1,29.25 Q1#9.2 31.72,29.05 R8#9.1
  Bottom w0.25: v1(34.75,31.51) 34.74,31.5 v1(34.74,28.63)
Board_6-/EN: length 59.6
  Top w0.25: v1(20.91,32.68) 23.27,30.32 26.15,30.32 ; v1(13.72,39.87) 13.65,39.94 13.65,42.54 13.65,42.54 13.65,43.14 13.65,43.14 13.65,52.16 R3#6.2 19.78,56.55 v1(20,56.55) 20,56.2 20.73,55.47 SW2#9.2 21.27,54.93 20.51,54.17 C16.1 ; C2#2.1 23.58,55.46 23.66,55.54 v1(24.92,55.54) 24.92,56.02 25.65,56.74 U1#5.3 25.65,56.74 24.3,58.09 20.36,58.09 19.74,58.72 C15#6.1
  Bottom w0.25: v1(13.72,39.87) 13.75,39.87 20.91,32.7 v1(20.91,32.68) ; v1(24.92,55.54) 24.36,56.1 20.45,56.1 v1(20,56.55)
Board_6-/IO0_BOOT: length 44.7
  Top w0.25: v1(37.6,38.37) 35.69,36.46 35.69,30.72 35.26,30.29 Q1#9.3 ; C13#4.1 53.38,55.64 52.23,56.78 50.47,56.78 SW1#8.1 49.11,54.73 47.99,53.61 47.99,50.05 v1(50.65,47.39) ; v1(46.34,42.72) 45.32,42.72 45.27,42.77 U1#5.25
  Bottom w0.25: v1(50.65,47.39) 50.65,47.04 v1(46.34,42.72) 46.27,42.72 42.42,38.87 38.16,38.87 37.66,38.37 v1(37.6,38.37)
Board_6-/R1OUT: length 26.4
  Top w0.25: U3#8.12 50.57,43.62 48.84,41.89 47.4,41.89 47.29,42 42.81,42 42.62,42.19 42.62,56.74 U1#5.36
Board_6-/REG_5V: length 7.5
  Top w0.25: U6#9.3 10.53,28.55 10.81,28.82 D7#2.1 13.97,28.82 C32#6.2
Board_6-/RS232IN1: length 15.3
  Top w0.25: U3#8.13 51.22,46.43 52.39,47.6 52.39,48.55 55.55,51.71 55.5,51.75 v1(55.5,55.31)
  Bottom w0.25: J3#4.8 55.96,54.85 v1(55.5,55.31)
Board_6-/RS232OUT1: length 16.4
  Top w0.25: 54.68,62.22 54.82,62.08 54.82,60.65 58.5,56.96 60.48,56.96 61.32,56.12 61.32,52.31 61.28,52.35 J3#4.7
Board_6-/RTS: length 14.8
  Top w0.25: R7#8.2 28.36,31.54 Q2#8.2 27.37,31.98 27.37,35.48 26.27,36.59 22.71,36.59 21.4,35.28 U5.24
Board_6-/RXD0: length 40.2
  Top w0.25: R5#2.2 46.79,54.21 46.79,46.07 v1(46.59,45.86) ; v1(22.71,39.42) 22.71,38.89 20.1,36.28 U5.26
  Bottom w0.25: v1(22.71,39.42) 22.71,40.15 28.43,45.86 v1(46.59,45.86)
Board_6-/ShiftDown: length 63.9
  Top w0.25: v1(22.71,29.35) 22.2,28.84 D2#8.1 ; R11#7.2 24.62,46.73 v1(24.62,47.13) ; v1(23.6,34.69) v1(23.6,31.64)
  Bottom w0.25: 25.53,44.44 21.99,40.89 21.99,36.3 v1(23.6,34.69) ; 25.53,44.44 28.73,47.64 48.87,47.64 51.37,50.13 52.52,50.13 57.48,45.17 57.48,43.65 J3#4.3 ; 25.53,44.44 25.53,46.22 v1(24.62,47.13) ; v1(22.71,29.35) 23.6,30.24 v1(23.6,31.64)
Board_6-/ShiftUp: length 65
  Top w0.25: v1(21.69,30.87) 19.41,28.59 D3#6.1 ; J3#4.4 56.63,44.85 53.22,41.44 47.21,41.44 47.11,41.55 42.55,41.55 42.05,42.05 42.05,43.16 36.76,48.45 v1(30.08,48.45) ; R10#3.2 24.64,48.83 v1(24.64,48.38) ; v1(22.33,34.69) 22.33,32.4 v1(22.46,32.27)
  Bottom w0.25: v1(22.46,32.27) 22.46,31.64 v1(21.69,30.87) ; v1(30.08,48.45) 30.07,48.45 24.72,48.45 v1(24.64,48.38) 23.22,46.95 23.22,42.76 21.54,41.08 21.54,36.11 22.45,35.2 21.94,34.69 v1(22.33,34.69)
Board_6-/T1IN: length 11.6
  Top w0.25: U1#5.33 45.27,52.93 45.7,52.51 v1(45.7,51.67) ; U3#8.11 49.92,46.88 v1(48.41,48.4)
  Bottom w0.25: v1(48.41,48.4) 47.22,48.4 45.7,49.93 v1(45.7,51.67)
Board_6-/TMCUART1: length 21.5
  Top w0.25: v1(43.64,34.66) 42.94,33.97 42.94,32.91 U2#7.14 ; 45.63,49.12 R6#4.1 ; 45.63,49.12 U1#5.30 ; 45.63,49.12 45.63,45.35 47.7,43.28 v1(47.7,42.62)
  Bottom w0.25: v1(47.7,42.62) 47.7,38.72 v1(43.64,34.66)
Board_6-/TMCUART2: length 1.9
  Top w0.25: U1#5.31 45.76,50.39 R6#4.2
Board_6-/TXD0: length 43.5
  Top w0.25: v1(47.68,45.79) 47.48,46 47.48,54.62 46.85,55.25 R4#5.2 ; v1(23.73,39.38) 23.73,38.24 21.27,35.78 U5.25
  Bottom w0.25: v1(47.68,45.79) 47.03,45.14 46.29,45.14 46.07,45.35 28.94,45.35 23.73,40.15 v1(23.73,39.38)
Board_6-/VDC: length 92.1
  Top w0.25: U2#7.28 49.02,31.21 49.03,31.21 ; 46.72,29.02 46.72,29.04 U2#7.22
  Top w0.5: C7#2.1 36.84,22.59 36.1,23.33 v1(35.61,23.33) 35.61,24.01 C14#7.1 ; 23.54,16.58 C5#4.1 23.7,16.73 C9.1 27.35,16.73 C1#7.1 ; 23.54,16.58 23.54,15.51 v1(23.73,15.32) ; 23.54,16.58 C4#2.1 21.45,16.75 C3#5.1 ; U4#5.7 37.07,12.46 37.58,11.94 C19.1 42.93,11.94 v1(43.13,12.14) ; C18#2.1 29.23,17.36 v1(29.23,16.32) ; J3#4.1 55.4,37.35 51.92,33.88 v1(51.92,32.07) 51.06,31.21 49.03,31.21 ; v1(47.15,26.99) 46.72,27.42 46.72,29.02
  Bottom w0.5: v1(23.73,15.32) 27.6,15.32 28.91,16.63 ; 28.91,16.63 v1(35.61,23.33) 41.85,23.33 45.5,26.99 v1(47.15,26.99) 47.91,26.99 50.88,29.96 50.88,31.03 v1(51.92,32.07) ; 28.91,16.63 29.22,16.32 v1(29.23,16.32) 29.24,16.31 38.96,16.31 v1(43.13,12.14)
